# Altium PCB AGV.PcbDoc (part 1 of 2)
Units mil, origin at the board's own origin, x right, y up, seen from the top; angles counter-clockwise.
Board outline 3930 x 3440 mil, 2 copper layers (Top Layer, Bottom Layer); 202 components, 111 nets, 673 pads, 143 vias.
Unrouted connection lines stored in the file: 5.
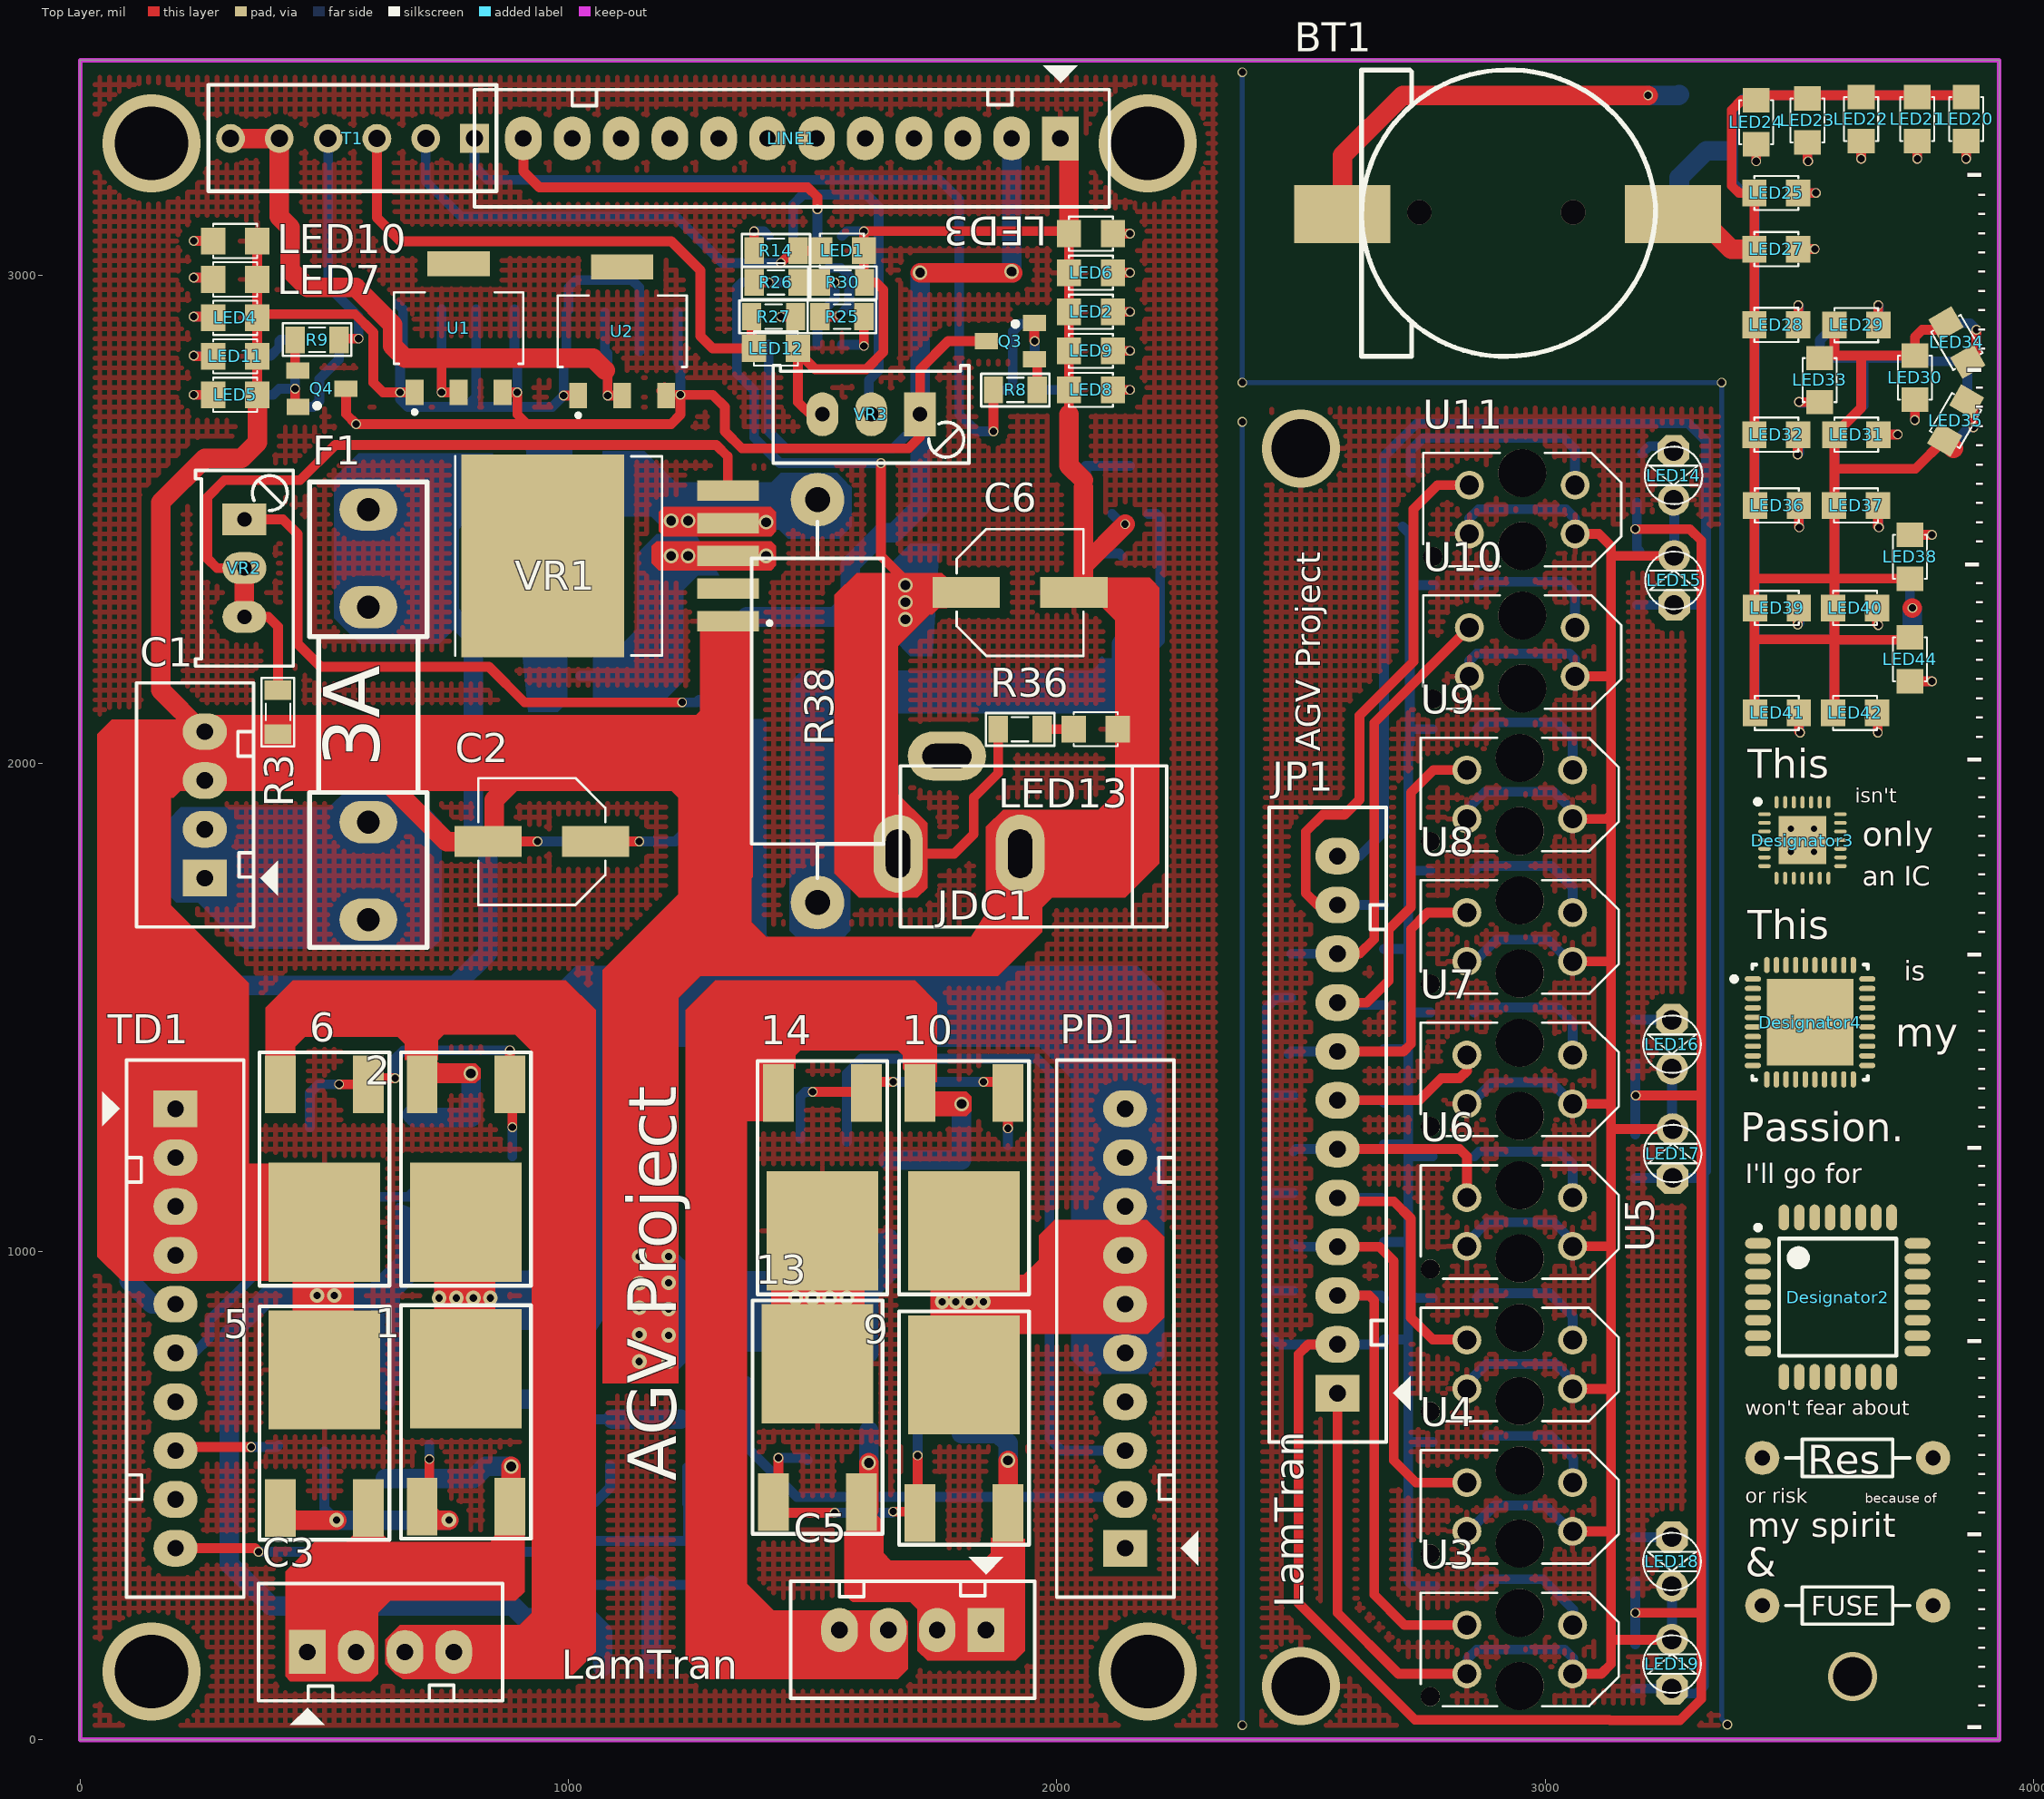
[diagram p0: Top Layer view]
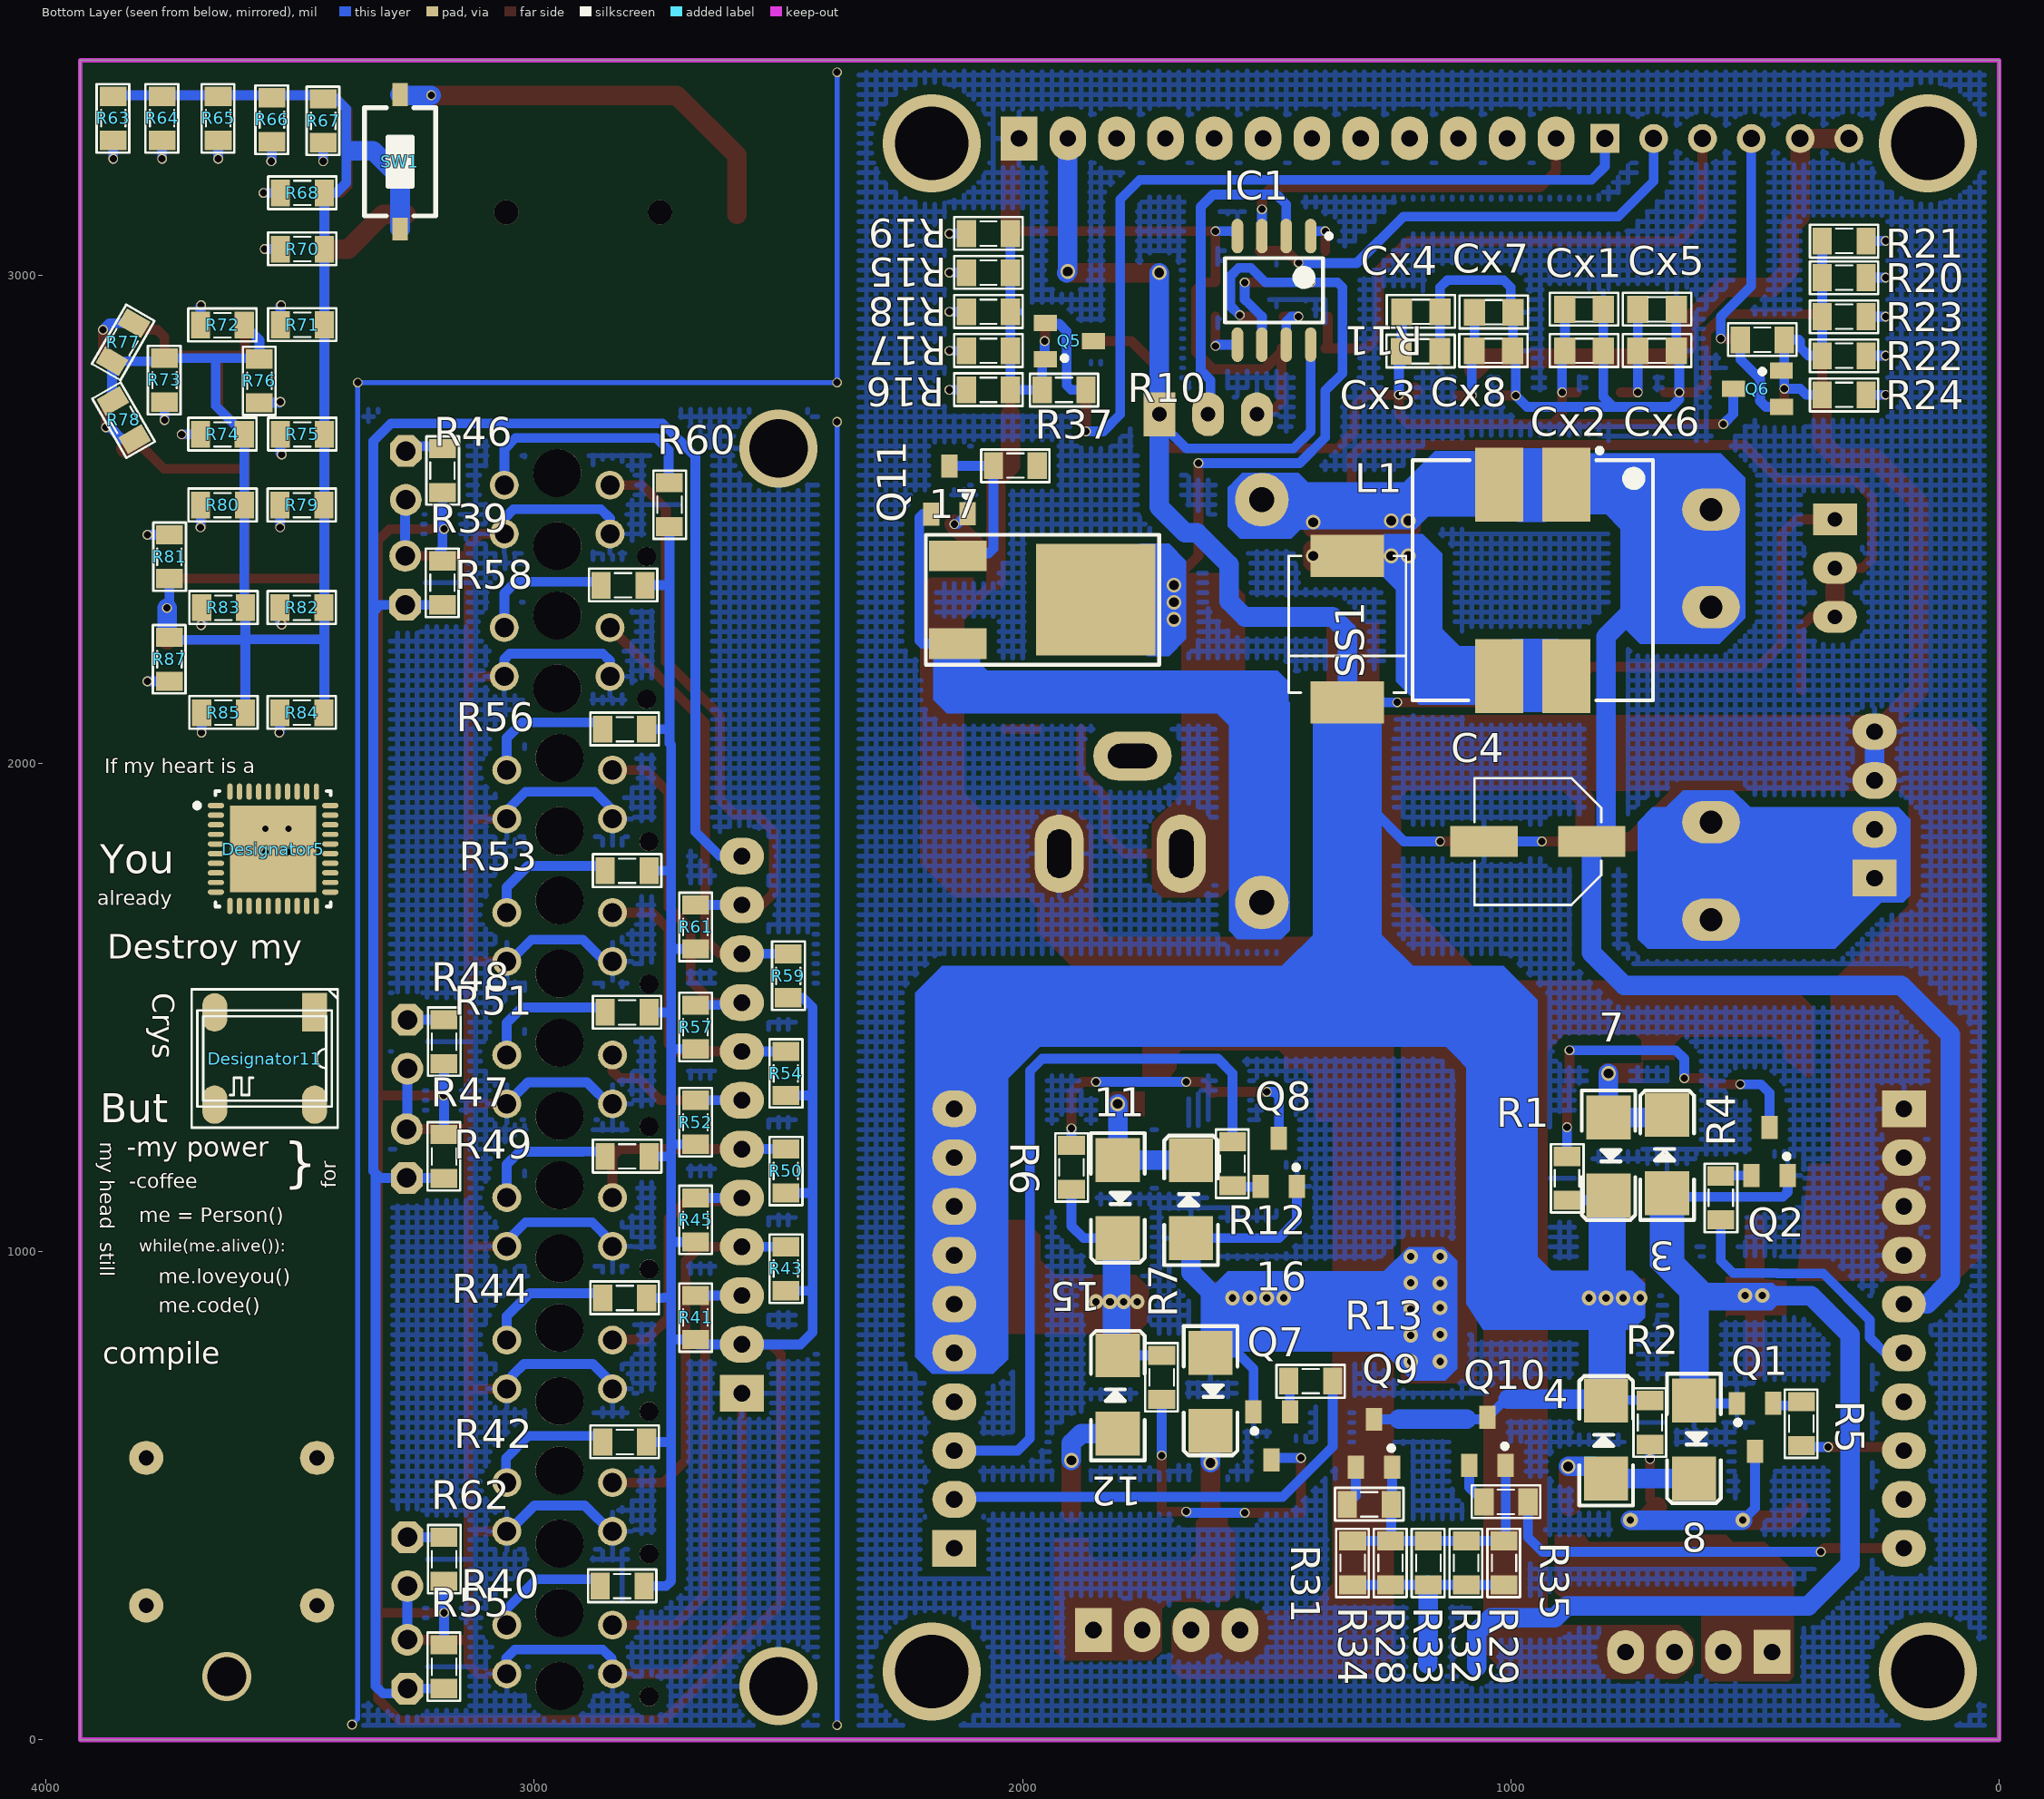
[diagram p1: Bottom Layer view, seen from below]

## Layer stack, top to bottom
Top Solder: solder mask 0.4, Solder Resist, Dk 3.5
Top Layer: signal copper 1.4
Dielectric 1: dielectric 12.6, FR-4, Dk 4.8
Bottom Layer: signal copper 1.4
Bottom Solder: solder mask 0.4, Solder Resist, Dk 3.5

## Board outline
0,0 0,3440 3930,3440 3930,0

## Design rules (kind name [scope] priority, off if disabled: settings)
Clearance [All] p1: gap=10 ignorepadtopadclearanceinfootprint=FALSE
PolygonConnect [All] p1: connectstyle=Relief reliefconductorwidth=10 reliefentries=4 polygonreliefangle="90 Angle" airgapwidth=10
RoutingVias [All] p1: holewidth=15 width=20 viastyle="Through Hole" minholewidth=10 minwidth=15 maxholewidth=20 maxwidth=30
SolderMaskExpansion [All] p1: expansion=4
Width [All] p1: maxlimit=40 minlimit=10 preferedwidth=20
30 further rules are at their usual default settings.

## Classes and differential pairs
component class Nghich: BT1 LED20 LED21 LED22 LED23 LED24 LED25 LED26 LED27 LED28 LED29 LED30 LED31 LED32 LED33 LED34 LED35 LED36 LED37 LED38 LED39 LED40 LED41 LED42 LED43 LED44 LED45 LED46 LED47 R63 R64 R65 R66 R67 R68 R69 R70 R71 R72 R73 R74 R75 R76 R77 R78 R79 R80 R81 R82 R83 R84 R85 R86 R87 R88 R89 R90 SW1
component class CBLine: JP1 LED14 LED15 LED16 LED17 LED18 LED19 R39 R40 R41 R42 R43 R44 R45 R46 R47 R48 R49 R50 R51 R52 R53 R54 R55 R56 R57 R58 R59 R60 R61 R62 U3 U4 U5 U6 U7 U8 U9 U10 U11
component class PowerBroad: 1 2 3 4 5 6 7 8 9 10 11 12 13 14 15 16 17 C1 C2 C3 C4 C5 C6 Cx1 Cx2 Cx3 Cx4 Cx5 Cx6 Cx7 Cx8 F1 IC1 JDC1 L1 LED1 LED2 LED3 LED4 LED5 LED6 LED7 LED8 LED9 LED10 LED11 LED12 LED13 LINE1 PD PD1 Q1 Q2 Q3 Q4 Q5 Q6 Q7 Q8 Q9 Q10 Q11 R1 R2 R3 R4 R5 R6 R7 R8 R9 R10 R11 R12 R13 R14 R15 R16 R17 R18 R19 R20 R21 R22 R23 R24 R25 R26 R27 R28 R29 R30 R31 R32 R33 R34 R35 R36 R37 R38 SS1 T1 TD TD1 U1 U2 VR1 VR2 VR3

## Components (designator, comment, footprint, x,y, rotation, side; value= is the part's Value field where it differs from the comment)
1 "TIP41C" SC_TO-252AA 790,760 r270 top
2 "TIP41C" SC_TO-252AA 790,1060 r90 top
3 "1N4007" DIO-SMD-106 800,1195 r90 bottom value=1N5007
4 "1N4007" DIO-SMD-106 805,615 r270 bottom value=1N5007
5 "TIP42C" SC_TO-252AA 500,757.68 r270 top
6 "TIP42C" SC_TO-252AA 500,1060 r90 top
7 "1N4007" DIO-SMD-106 680,1200 r270 bottom value=1N5007
8 "1N4007" DIO-SMD-106 625,615 r90 bottom value=1N5007
9 "TIP41C" SC_TO-252AA 1810,747.5 r270 top
10 "TIP41C" SC_TO-252AA 1810,1042.5 r90 top
11 "1N4007" DIO-SMD-106 1805,1107.5 r90 bottom value=1N5007
12 "1N4007" DIO-SMD-106 1805,707.5 r270 bottom value=1N5007
13 "TIP42C" SC_TO-252AA 1510,770 r270 top
14 "TIP42C" SC_TO-252AA 1520,1042.5 r90 top
15 "1N4007" DIO-SMD-106 1655,1107.5 r270 bottom value=1N5007
16 "1N4007" DIO-SMD-106 1615,712.5 r90 bottom value=1N5007
17 "TIP41C" SC_TO-252AA 1850,2335 r0 bottom
BT1 "PIN 3V" "PIN CR1220-SMD" 2624.37,3420.28 r270 top
C1 "Battery" Header4 255,1765 r90 top
C2 "25V-220uF" CAP-ALU-SMD-6.3x7.7x2.2 945.24,1840 r180 top
C3 "Header4" Header4 465,180 r0 top
C4 "25V-220uF" CAP-ALU-SMD-6.3x7.7x2.2 944.76,1840 r0 bottom
C5 "Header4" Header4 1855,225 r180 top
C6 "25V-220uF" CAP-ALU-SMD-6.3x7.7x2.2 1924.76,2350 r0 top
Cx1 "106" CN-SMD-0805 850,2930 r0 bottom value=33pF
Cx2 "104" CN-SMD-0805 850,2845 r0 bottom value=33pF
Cx3 "106" CN-SMD-0805 1185,2844 r0 bottom value=33pF
Cx4 "104" CN-SMD-0805 1184.36,2925.01 r0 bottom value=33pF
Cx5 "104" CN-SMD-0805 700.63,2930.01 r0 bottom value=33pF
Cx6 "106" CN-SMD-0805 700.63,2845.01 r0 bottom value=33pF
Cx7 "104" CN-SMD-0805 1035,2924 r0 bottom value=33pF
Cx8 "106" CN-SMD-0805 1035.63,2845.01 r0 bottom value=33pF
Designator2 "Comment" TQFP32 3599.49,906.61 r0 top
Designator3 "Comment" QFN28M 3527.24,1842.72 r0 top
Designator4 "Comment" QFN40 3542.87,1469.84 r0 top
Designator5 "Comment" QFN40 3535,1825 r180 bottom
Designator11 "Comment" XT4-SMD 3555,1395 r0 bottom
F1 "F1A" Fuse1 590,2100.37 r90 top value=Fuse
FUSE "Comment" R1/4W 3795,275 r180 top
IC1 "LM358" SO8 1485,2968.78 r270 bottom
JDC1 "Jac DC" DC0 1800,1915 r180 top
JP1 "JP12" Header12 2575,710 r90 top value="Connector 12"
L1 "2.20 µH" L-SMD-D-12.5x12.5 955,2375 r180 bottom
LED1 "LED" LED-0805-Blue 1515,3050 r0 top value="LED 3 - 5 ly 2 Colour"
LED2 "LED" LED-0805-Red 2115,2925 r180 top value="LED 3 - 5 ly 2 Colour"
LED3 "LED" LED-0805-Red 2115,3085 r180 top value="LED 3 - 5 ly 2 Colour"
LED4 "LED" LED-0805-Red 272.5,2912.5 r0 top value="LED 3 - 5 ly 2 Colour"
LED5 "LED" LED-0805-Red 272.5,2755 r0 top value="LED 3 - 5 ly 2 Colour"
LED6 "RED" LED-0805-Red 2115,3005 r180 top value="LED 3 - 5 ly 2 Colour"
LED7 "Green" LED-0805-Red 272.5,2991.25 r0 top value="LED 3 - 5 ly 2 Colour"
LED8 "LED" LED-0805-Red 2115,2765 r180 top value="LED 3 - 5 ly 2 Colour"
LED9 "LED" LED-0805-Red 2115,2845 r180 top value="LED 3 - 5 ly 2 Colour"
LED10 "LED" LED-0805-Red 272.5,3070 r0 top value="LED 3 - 5 ly 2 Colour"
LED11 "LED" LED-0805-Red 272.5,2833.75 r0 top value="LED 3 - 5 ly 2 Colour"
LED12 "LED" LED-0805-Blue 1380,2850 r0 top value="LED 3 - 5 ly 2 Colour"
LED13 "LED" LED-0805-Blue 2035,2070 r0 top value="LED 3 - 5 ly 2 Colour"
LED14 "LED" LED-3MM-YELLOW 3263.27,2639.8 r270 top value="LED 3 ly Single Colour"
LED15 "LED" LED-3MM-YELLOW 3264.53,2324.8 r90 top value="LED 3 ly Single Colour"
LED16 "LED" LED-3MM-YELLOW 3260,1474.8 r270 top value="LED 3 ly Single Colour"
LED17 "LED" LED-3MM-YELLOW 3261.26,1150.87 r90 top value="LED 3 ly Single Colour"
LED18 "LED" LED-3MM-YELLOW 3260,415 r270 top value="LED 3 ly Single Colour"
LED19 "LED" LED-3MM-YELLOW 3260,105 r90 top value="LED 3 ly Single Colour"
LED20 "LED" LED-0805-Blue 3862.5,3274.61 r90 top value="LED 3 - 5 ly 2 Colour"
LED21 "LED" LED-0805-Blue 3762.4,3274.61 r90 top value="LED 3 - 5 ly 2 Colour"
LED22 "LED" LED-0805-Blue 3647.5,3274.61 r90 top value="LED 3 - 5 ly 2 Colour"
LED23 "LED" LED-0805-Blue 3537.5,3271.76 r90 top value="LED 3 - 5 ly 2 Colour"
LED24 "LED" LED-0805-Blue 3432.5,3268.31 r90 top value="LED 3 - 5 ly 2 Colour"
LED25 "LED" LED-0805-Blue 3518.78,3168.31 r180 top value="LED 3 - 5 ly 2 Colour"
LED27 "LED" LED-0805-Blue 3518.78,3053.31 r180 top value="LED 3 - 5 ly 2 Colour"
LED28 "LED" LED-0805-Blue 3518.78,2898.31 r180 top value="LED 3 - 5 ly 2 Colour"
LED29 "LED" LED-0805-Blue 3682.5,2897.63 r180 top value="LED 3 - 5 ly 2 Colour"
LED30 "LED" LED-0805-Blue 3757.5,2745 r90 top value="LED 3 - 5 ly 2 Colour"
LED31 "LED" LED-0805-Blue 3682.5,2673.31 r180 top value="LED 3 - 5 ly 2 Colour"
LED32 "LED" LED-0805-Blue 3518.78,2673.31 r180 top value="LED 3 - 5 ly 2 Colour"
LED33 "LED" LED-0805-Blue 3562.5,2740 r90 top value="LED 3 - 5 ly 2 Colour"
LED34 "LED" LED-0805-Blue 3866.06,2823.31 r120 top value="LED 3 - 5 ly 2 Colour"
LED35 "LED" LED-0805-Blue 3863.56,2741.25 r240 top value="LED 3 - 5 ly 2 Colour"
LED36 "LED" LED-0805-Blue 3519.79,2528.31 r180 top value="LED 3 - 5 ly 2 Colour"
LED37 "LED" LED-0805-Blue 3682.02,2528.31 r180 top value="LED 3 - 5 ly 2 Colour"
LED38 "LED" LED-0805-Blue 3747.5,2468.31 r270 top value="LED 3 - 5 ly 2 Colour"
LED39 "LED" LED-0805-Blue 3519.79,2318.31 r180 top value="LED 3 - 5 ly 2 Colour"
LED40 "LED" LED-0805-Blue 3680.08,2318.31 r180 top value="LED 3 - 5 ly 2 Colour"
LED41 "LED" LED-0805-Blue 3519.79,2103.31 r180 top value="LED 3 - 5 ly 2 Colour"
LED42 "LED" LED-0805-Blue 3680.08,2103.31 r180 top value="LED 3 - 5 ly 2 Colour"
LED44 "LED" LED-0805-Blue 3747.4,2168.31 r90 top value="LED 3 - 5 ly 2 Colour"
LINE1 "JP12" Header12 2007.5,3280 r180 top value="Connector 12"
PD1 "JP10" Header10 2140,392.5 r90 top value="Connector 10"
Q1 "C1815" SOT23B 500,640 r0 bottom
Q2 "C1815" SOT23B 470,1205 r180 bottom
Q3 "C1815" SOT23B 1905,2865 r90 top
Q4 "C1815" SOT23B 495,2767.5 r270 top
Q5 "C1815" SOT23B 1904.21,2865.01 r270 bottom
Q6 "C1815" SOT23B 495,2767.5 r90 bottom
Q7 "C1815" SOT23B 1490,622.5 r0 bottom
Q8 "C1815" SOT23B 1475,1182.5 r180 bottom
Q9 "C1815" SOT23B 1280,607.32 r180 bottom
Q10 "C1815" SOT23B 1047.6,611.54 r180 bottom
Q11 "C1815" SOT23B 2150,2560 r180 bottom
R1 "1k" RES-SMD-0805 885,1150 r90 bottom
R2 "1k" RES-SMD-0805 715,650 r270 bottom
R3 "1k" RES-SMD-0805 405,2105 r270 top
R4 "1k" RES-SMD-0805 570,1110 r90 bottom
R5 "1k" RES-SMD-0805 405,647.5 r270 bottom
R6 "1k" RES-SMD-0805 1900,1172.5 r90 bottom
R7 "1k" RES-SMD-0805 1715,742.5 r270 bottom
R8 "1k" RES-SMD-0805 1915,2765 r0 top
R9 "1k" RES-SMD-0805 485,2867.5 r180 top
R10 "1k" RES-SMD-0805 1915,2765 r180 bottom
R11 "1k" RES-SMD-0805 485,2867.5 r0 bottom
R12 "1k" RES-SMD-0805 1570,1180 r270 bottom
R13 "1k" RES-SMD-0805 1410,734.9 r180 bottom
R14 "330" RES-SMD-0805 1425,3050 r180 top
R15 "1k" RES-SMD-0805 2070,3005 r0 bottom
R16 "Res" RES-SMD-0805 2070,2765 r0 bottom
R17 "Res" RES-SMD-0805 2070,2845 r0 bottom
R18 "Res" RES-SMD-0805 2070,2925 r0 bottom
R19 "Res" RES-SMD-0805 2070,3085 r0 bottom
R20 "1k" RES-SMD-0805 317.5,2995 r180 bottom
R21 "Res" RES-SMD-0805 317.5,3070 r180 bottom
R22 "Res" RES-SMD-0805 317.5,2835 r180 bottom
R23 "Res" RES-SMD-0805 317.5,2915 r180 bottom
R24 "Res" RES-SMD-0805 317.5,2755 r180 bottom
R25 "1k" RES-SMD-0805 1560,2915 r0 top
R26 "1k" RES-SMD-0805 1425,2985 r0 top
R27 "330" RES-SMD-0805 1420,2915 r0 top
R28 "Res" RES-SMD-0805 1246.5,362.32 r270 bottom
R29 "Res" RES-SMD-0805 1014,362.32 r270 bottom
R30 "3k" RES-SMD-0805 1561.25,2985 r0 top
R31 "1k" RES-SMD-0805 1290,482.32 r0 bottom
R32 "Res" RES-SMD-0805 1091.5,362.32 r270 bottom
R33 "Res" RES-SMD-0805 1169,362.32 r270 bottom
R34 "Res" RES-SMD-0805 1324,362.32 r270 bottom
R35 "1k" RES-SMD-0805 1010,487.32 r0 bottom
R36 "Res" RES-SMD-0805 1925,2070 r0 top
R37 "Res" RES-SMD-0805 2015,2610 r180 bottom
R38 "RI" RES-2W 1515,2120 r90 top
R39 "10k" RES-SMD-0805 3188.27,2369.8 r270 bottom
R40 "330" RES-SMD-0805 2820,315 r0 bottom
R41 "10k" RES-SMD-0805 2670,865 r90 bottom
R42 "330" RES-SMD-0805 2815,610 r0 bottom
R43 "10k" RES-SMD-0805 2485,965 r90 bottom
R44 "330" RES-SMD-0805 2815,905 r0 bottom
R45 "10k" RES-SMD-0805 2670,1065 r90 bottom
R46 "330" RES-SMD-0805 3188.27,2599.8 r90 bottom
R47 "10k" RES-SMD-0805 3185,1195 r270 bottom
R48 "330" RES-SMD-0805 3185,1430 r90 bottom
R49 "330" RES-SMD-0805 2810,1195 r0 bottom
R50 "10k" RES-SMD-0805 2485,1165 r90 bottom
R51 "330" RES-SMD-0805 2810.2,1490 r0 bottom
R52 "10k" RES-SMD-0805 2670,1265 r90 bottom
R53 "330" RES-SMD-0805 2810,1780 r0 bottom
R54 "10k" RES-SMD-0805 2485,1365 r90 bottom
R55 "10k" RES-SMD-0805 3185,150 r270 bottom
R56 "330" RES-SMD-0805 2815,2070 r0 bottom
R57 "10k" RES-SMD-0805 2670,1460 r90 bottom
R58 "330" RES-SMD-0805 2818.27,2364.8 r0 bottom
R59 "10k" RES-SMD-0805 2480,1565 r90 bottom
R60 "330" RES-SMD-0805 2723.27,2529.8 r90 bottom
R61 "10k" RES-SMD-0805 2670,1665 r90 bottom
R62 "330" RES-SMD-0805 3185,370 r90 bottom
R63 "Res" RES-SMD-0805 3862.5,3321.11 r270 bottom
R64 "Res" RES-SMD-0805 3762.4,3321.11 r270 bottom